# Altium PCB _Power_Rail_Probe.PcbDoc (continued)
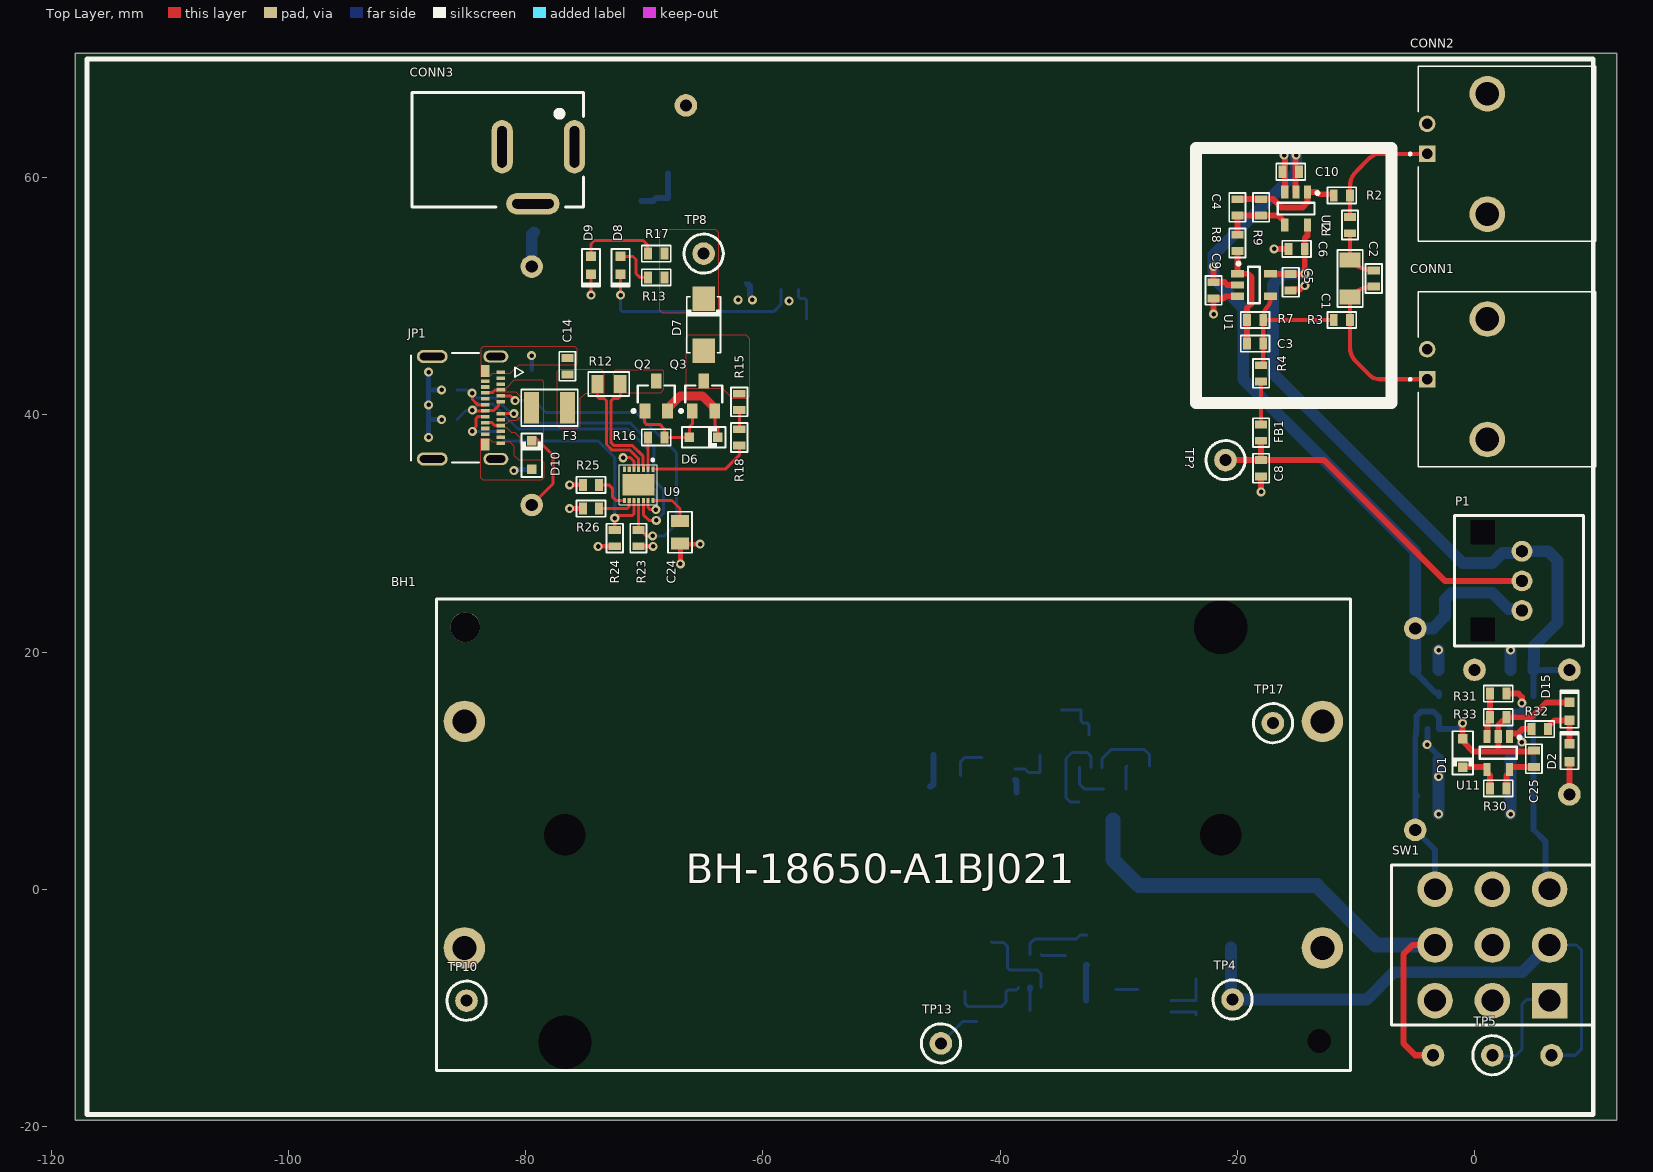
[diagram p0: Top Layer view]
## Footprints (in the part's own frame and the unit in brackets; to place one, negate y for a bottom-side part, rotate by r counter-clockwise, add the part's x,y. Pads: shape width x height; smd on the part's side, far side on the other; paste and mask are expansions set on the pad)
1003P1T2B1M2QEH [mm] "Interruptor Palanca 3PDT"
  rect 3x3 hole 1.85: 1(4.83,-4.7)
  round 3 hole 1.85: 2(4.83,0) 3(4.83,4.7) 4(0,-4.7) 5(0,0) 6(0,4.7) 7(-4.83,-4.7) 8(-4.83,0) 9(-4.83,4.7)
  silkscreen extent -8.5,-6.75 8.5,6.75, body extent -8.25,-6.35 8.25,6.35, height 31.34
1054500101 [mm] "USB C 3.2"
  rect 0.298x0.7 smd mask+0.064: A1(-3,2.885) A2(-2.5,2.885) A3(-2,2.885) A4(-1.5,2.885) A5(-1,2.885) A6(-0.5,2.885) A7(0.5,2.885) A8(1,2.885) A9(1.5,2.885) A10(2,2.885) A11(2.5,2.885) A12(3,2.885) B2(2.25,1.585) B3(1.75,1.585) B4(1.25,1.585) B5(0.75,1.585) B6(0.25,1.585) B7(-0.25,1.585) B8(-0.75,1.585) B9(-1.25,1.585) B10(-1.75,1.585) B11(-2.25,1.585)
  rect 0.998x0.7 smd mask+0.064: B1(3.1,1.585) B12(-3.1,1.585)
  oval 1.036x2.1 hole 0.6 slot 1.6 at 90 deg mask+0.064: SH(-4.32,2.475) SH(4.32,2.475)
  oval 1.1x2.6 hole 0.6 slot 2.1 at 90 deg mask+0.064: SH(-4.32,-2.885) SH(4.32,-2.885)
  silkscreen extent -4.62,-4.68 4.62,4.79, body extent -4.47,-4.83 4.47,3.07, height 3.2
ADC-002A [mm] "Power Barrel Connector Jack Through Hole, Right Angle"
  oval 4.5x1.8 hole 0.8 slot 3.5 at 0 deg: 1(0,0) 2(0,6.1)
  oval 1.8x4.5 hole 0.8 slot 3.5 at 90 deg: 3(-4.8,3.5)
  silkscreen extent -5.08,-0.76 4.57,13.72, body extent -4.97,-0.65 4.5,13.65, height 11.05
BH-18650-A1BJ021 [mm] "2 Cell 18650 PCB Battery Holder"
  round 3.5 hole 2: N1(36.175,9.55) N2(-36.175,-9.55) P1(-36.175,9.55) P2(36.175,-9.55)
  oval 0x3.31 hole 2 unplated: ""(-35.9,17.4)
  round 3.68 hole 4.5 unplated: ""(-27.6,-17.5) ""(27.7,17.5)
  round 3.31 hole 3.5 unplated: ""(-27.6,0) ""(27.7,0)
  round 2.51 hole 2.51 unplated: ""(36.11,-17.5)
  silkscreen extent -38.53,-19.89 38.53,19.89, body extent -38.53,-19.89 38.53,19.89, height 14.91
CAP_SMD_0603 [mil]
  rect 26x40 smd paste-50: 1(-27,0) 2(27,0)
  silkscreen extent -48,-27 48,27, body extent -31,-16 31,16, height 32
CAP_SMD_0805 [mil]
  rect 40x60 smd paste-50: 1(-38,0) 2(38,0)
  silkscreen extent -68,-40 68,40, body extent -39,-25 39,25, height 24
CAP_SMD_1206 [mil]
  rect 50x70 smd paste-50: 1(-61,0) 2(61,0)
  silkscreen extent -95,-42 95,42, body extent -63,-31 63,31, height 31
CONBNC002 [mm] "BNC CONNECTOR RIGHT ANGLE JACK"
  rect 1.398x1.398 / inner round 1.398 / far side rect 1.398x1.398 hole 0.89: 1(0,0)
  round 1.398 hole 0.89: 2(2.54,0)
  round 3 hole 2: S1(-5.08,-5.08) S2(5.08,-5.08)
  silkscreen extent -7.37,-14.2 7.37,1.52, body extent -7.95,-34.46 7.95,0.74, height 14.89
DFN_10 [mm] "DFN-10"
  rect 0.65x0.3 smd: 1(-1.55,1) 2(-1.55,0.5) 3(-1.55,0) 4(-1.55,-0.5) 5(-1.55,-1) 6(1.55,1) 7(1.55,0.5) 8(1.55,0) 9(1.55,-0.5) 10(1.55,-1)
  silkscreen extent -2.3,-1.6 1.45,1.6, body extent -1.58,-1.53 1.47,1.52, height 0.9
DFN_14 [mm]
  rect 0.45x0.27 smd: 1(-1.325,1.215) 2(-1.325,0.815) 3(-1.325,0.415) 4(-1.325,0.015) 5(-1.325,-0.385) 6(-1.325,-0.785) 7(-1.325,-1.185) 8(1.325,-1.185) 9(1.325,-0.785) 10(1.325,-0.385) 11(1.325,0.015) 12(1.325,0.415) 13(1.325,0.815) 14(1.325,1.215)
  rect 1.8x2.7 smd: PAD(0,0)
  silkscreen extent -2.2,-1.6 1.7,1.6, body extent -1.53,-1.53 1.52,1.52, height 0.8
DO_214_AC [mil]
  rect 82x75 smd paste-3937.01: A(-86,0) K(86,0)
  silkscreen extent -93,-56 93,56, body extent -102,-51 102,51, height 95
FERRITE_SMD_0603 [mil]
  rect 26x40 smd paste-50: 1(-27,0) 2(27,0)
  silkscreen extent -48,-27 48,27, body extent -32,-16 32,17, height 31
LED_0603_1608 [mm]
  rect 0.8x0.85 smd paste-5.08: A(-0.762,0) K(0.762,0)
  silkscreen extent -1.39,-0.76 1.78,0.76, body extent -0.8,-0.4 0.8,0.4, height 0.4
POTENCIOMETRO_09VR1S25F1N103B1 [mm] "10k Ohm 1 Gang Linear Through Hole Potentiometer 1.0 Turns Carbon 0.05W, 1/20W PC Pins"
  round 1.75 hole 1: 1(0,2.5) 2(0,0) 3(0,-2.5)
  rect 1x1 hole 2 square: CASE(-3.3,-4.1) CASE(-3.3,4.1)
  silkscreen extent -5.7,-5.5 5.2,5.5
RES_SMD_0603 [mil]
  rect 26x40 smd paste-50: 1(-27,0) 2(27,0)
  silkscreen extent -48,-27 48,27, body extent -32,-16 32,17, height 18
RES_SMD_0805 [mil]
  rect 40x60 smd paste-50: 1(-38,0) 2(38,0)
  silkscreen extent -68,-40 68,40, body extent -45,-27 45,27, height 30
RES_SMD_1210 [mil]
  rect 50x105 smd paste-50: 1(-60,0) 2(60,0)
  silkscreen extent -94,-61 94,61, body extent -63,-49 63,49, height 22
SOD_323 [mm]
  rect 0.8x0.8 smd paste-5.08: A(-1.2,0) K(1.2,0)
  silkscreen extent -1.83,-0.89 1.83,0.89, body extent -1.3,-0.67 1.3,0.67, height 1.12
SOT_23-3 [mil]
  rect 50x35 smd paste-50: 1(-50,37.4) 2(-50,-37.4) 3(50,0)
  silkscreen extent -55,-61 34,80, body extent -55,-57 55,57, height 61
SOT_23-5#1 [mm]
  rect 1.1x0.6 smd paste+0: 1(0,0) 2(0,-0.95) 3(0,-1.9) 4(2.794,-1.9) 5(2.794,0)
  silkscreen extent -0.03,-2.5 1.9,0.97, body extent -0.1,-2.48 2.9,0.58, height 1.45
SOT_23-5#2 [mm]
  rect 1.1x0.6 smd paste+0: 1(-1.397,0.95) 2(-1.397,0) 3(-1.397,-0.95) 4(1.397,-0.95) 5(1.397,0.95)
  silkscreen extent -1.42,-1.55 0.5,1.93, body extent -1.5,-1.53 1.5,1.53, height 1.45
SOT_23-6 [mm]
  rect 1.1x0.6 smd paste+0: 1(-1.397,0.95) 2(-1.397,0) 3(-1.397,-0.95) 4(1.397,-0.95) 5(1.397,0) 6(1.397,0.95)
  silkscreen extent -1.42,-1.55 0.5,1.93, body extent -1.5,-1.5 1.5,1.5, height 1.46
Test_Point_THT [mil] "Diametro 1mm"
  round 75 hole 40: 1(0,0)
  silkscreen extent -65,-65 65,65

## Part data
BH1: "2 Cell 18650 Battery Holder", 05_Digikey Part Number="Not Available", 06_Manufacturer=MYOUNG, 01_Componente=IC, 02_Montaje=THM, 03_Encapsulado=NA, 04_Manufacturer Part Number=BH-18650-A1BJ021, 07_Funcion="Battery Holder", ComponentLink1Description=01_Datasheet, ComponentLink1URL=https://www.lcsc.com/datasheet/C20606804.pdf?spm=wm.sxq.inf.ggs&lcsc_vid=QgdWXldRRVMIVlxRFlhXBFZfRldXX1JXQVQPBlEDEwUxVlNRQ1BfVVJRQ1VZVDsOAxUeFF5JWBYZEEoBGA4JCwFIFA4DSA%3D%3D, ComponentLink2Description=02_Digikey, ComponentLink2URL="Not Available", ComponentLink3Description=03_LCSC, ComponentLink3URL=https://www.lcsc.com/product-detail/C20606804.html
C1: library part "Capacitor NP", "0.1 µF ±2% 50V Ceramic Capacitor C0G, NP0 1206 (3216 Metric)", 04_Manufacturer Part Number=GRM3195C1H104GA05D, 05_Digikey Part Number=490-GRM3195C1H104GA05DCT-ND, 06_Manufacturer=YAGEO, 08_Tolerancia=2%, 10_Dielectrico=C0G, 01_Componente="Capacitor cerámico", 02_Montaje=SMD, 03_Encapsulado=1206, 07_Valor=100nF, 09_Tensión de trabajo=100V, ComponentLink1Description=A_Datasheet, ComponentLink1URL=https://search.murata.co.jp/Ceramy/image/img/A01X/G101/ENG/GRM3195C1H104GA05-01A.pdf, ComponentLink2Description=B_Digikey, ComponentLink2URL=https://www.digikey.com/en/products/detail/murata-electronics/GRM3195C1H104GA05D/13531987
C2 C3 C4 C5 C6 C8 C9 C10 C11 C12 C13 C14 C19 C23 C25: library part "Capacitor NP", "0.1 µF ±10% 25V Ceramic Capacitor X7R 0603 (1608 Metric)", 04_Manufacturer Part Number=CC0603KRX7R8BB104, 05_Digikey Part Number=311-1341-1-ND, 06_Manufacturer=YAGEO, 08_Tolerancia=10%, 10_Dielectrico=X7R, 01_Componente="Capacitor cerámico", 02_Montaje=SMD, 03_Encapsulado=0603, 07_Valor=100nF, 09_Tensión de trabajo=25V, ComponentLink1Description=A_Datasheet, ComponentLink2Description=B_Digikey
  C4: ComponentLink1URL=https://yageogroup.com/content/datasheet/asset/file/UPY-GPHC_X7R_6_3V-TO-250V, ComponentLink2URL=https://www.digikey.com/en/products/detail/yageo/CC0603KRX7R8BB104/2103079?s=N4IgTCBcDaIMJwAwDZEGYDSAlAGgdiwA4AhYgRkQBYQBdAXyA
  C5: ComponentLink1URL=https://yageogroup.com/content/datasheet/asset/file/UPY-GPHC_X7R_6_3V-TO-250V, ComponentLink2URL=https://www.digikey.com/en/products/detail/yageo/CC0603KRX7R8BB104/2103079
C15 C16 C17 C18 C20 C21 C22 C24: library part "Capacitor NP", "2.2 µF ±10% 25V Ceramic Capacitor X7R 0805 (2012 Metric)", 04_Manufacturer Part Number=GRM21BR71E225KE11K, 05_Digikey Part Number=490-GRM21BR71E225KE11KCT-ND, 06_Manufacturer="Murata Electronics", 08_Tolerancia=10%, 10_Dielectrico=X7R, 01_Componente="Capacitor cerámico", 02_Montaje=SMD, 03_Encapsulado=0805, 07_Valor=2u2, 09_Tensión de trabajo=25V, ComponentLink1Description=A_Datasheet, ComponentLink2Description=B_Digikey
  C18 C24: ComponentLink1URL=https://search.murata.co.jp/Ceramy/image/img/A01X/G101/ENG/GRM21BR71E225KE11-01A.pdf, ComponentLink2URL=https://www.digikey.com/en/products/detail/murata-electronics/GRM21BR71E225KE11K/10694460
CONN1 CONN2: library part "Conector BNC", "BNC Connector Jack, Female Socket 50 Ohms Panel Mount, Through Hole, Right Angle Solder", 04_Manufacturer Part Number=CONBNC002, 05_Digikey Part Number=343-CONBNC002-ND, 06_Manufacturer="TE Connectivity Linx", 01_Componente="Conector BNC", 02_Montaje=SMD, 03_Encapsulado=BNC, 07_Contactos=2, 08_Impedancia="50 Ohm", ComponentLink1Description=A_Datasheet, ComponentLink2Description=B_Digikey
  CONN1: ComponentLink1URL=https://www.te.com/commerce/DocumentDelivery/DDEController?Action=srchrtrv&DocNm=CONBNC002&DocType=Data+Sheet&DocLang=English&DocFormat=pdf&PartCntxt=CONBNC002, ComponentLink2URL=https://www.digikey.com/en/products/detail/te-connectivity-linx/CONBNC002/16013841
CONN3: library part "DC JACK", "DC JACK", 04_Manufacturer Part Number=ADC-002-1, 05_Digikey Part Number=2057-ADC-002-1-ND, 06_Manufacturer="Adam Tech", 01_Componente="DC JACK", 02_Montaje=THT, 03_Encapsulado=-, 07_Contactos=3, 08_Paso=-, ComponentLink1Description=A_Datasheet, ComponentLink1URL=https://app.adam-tech.com/products/download/data_sheet/203725/adc-002-x-data-sheet.pdf, ComponentLink2Description=B_Digikey, ComponentLink2URL=https://www.digikey.com/en/products/detail/adam-tech/ADC-002-1/21710741
D1 D5 D6: library part "Diodo Zener", "Diodo Zener", 04_Manufacturer Part Number=BZT52C5V6S-7-F, 05_Digikey Part Number=BZT52C5V6S-FDICT-ND, 06_Manufacturer="Diodes Incorporated", 01_Componente="Diodo Zener", 02_Montaje=SMD, 03_Encapsulado=SOD-323, 07_Tensión de trabajo=5V6, ComponentLink1Description=A_Datasheet, ComponentLink2Description=B_Digikey
  D1 D5: ComponentLink1URL=https://mm.digikey.com/Volume0/opasdata/d220001/medias/docus/804/BZT52C2V0S-BZT52C39S.pdf, ComponentLink2URL=https://www.digikey.com/en/products/detail/diodes-incorporated/BZT52C5V6S-7-F/804868
D2 D8 D9 D15: library part "Diodo LED", "Diodo LEd", 04_Manufacturer Part Number=SML-D12U1WT86, 05_Digikey Part Number=SML-D12U1WT86CT-ND, 06_Manufacturer="Rohm Semiconductor", 01_Componente="Diodo Led", 02_Montaje=SMD, 03_Encapsulado=1608, ComponentLink1Description=A_Datasheet, ComponentLink1URL=https://www.rohm.com/datasheet?p=SML-D12U1W&dist=Digi-key&media=referral&source=digi-key.com&campaign=Digi-key, ComponentLink2Description=B_Digikey, ComponentLink2URL=https://www.digikey.com/en/products/detail/rohm-semiconductor/SML-D12U1WT86/5843853
D3 D7: library part "Diodo Schottky", "Diode 40 V 1A Surface Mount DO-214AC (SMA)", 04_Manufacturer Part Number=SS14-M3/5AT, 05_Digikey Part Number=SS14-M3/5ATGICT-ND, 06_Manufacturer="Vishay General Semiconductor - Diodes Division", 01_Componente="Diodo Schottky", 02_Montaje=SMD, 03_Encapsulado=DO-214AC, 07_Tensión=40V, 08_Corriente=1A, ComponentLink1Description=A_Datasheet, ComponentLink2Description=B_Digikey
  D3: ComponentLink1URL=https://mm.digikey.com/Volume0/opasdata/d220001/medias/docus/661/SS12-SS16.pdf, ComponentLink2URL=https://www.digikey.com/en/products/detail/vishay-general-semiconductor-diodes-division/SS14-M3-5AT/4872626?s=N4IgTCBcDaIMpwIwBYC0BZAzAegKwEEAVEAXQF8g
D4: library part "Diodo TVS Bidireccional", "Diodo TVS", 05_Digikey Part Number=4786-GSEC15B006CT-ND, 06_Manufacturer="Good-Ark Semiconductor", 01_Componente="Diodo TVS", 02_Montaje=SMD, 03_Encapsulado=SOD-323, 04_Manufacturer Part Number=GSEC15B006, 07_Tensión de trabajo=15V, ComponentLink1Description=A_Datasheet, ComponentLink1URL=https://goodarksemi.com/docs/datasheets/esd_tvs/GSECxB006.pdf, ComponentLink2Description=B_Digikey, ComponentLink2URL=https://www.digikey.com/en/products/detail/good-ark-semiconductor/GSEC15B006/18667511
D10 D11 D12 D13 D14: library part "Diodo TVS Unidireccional", "Diodo TVS", 05_Digikey Part Number=4786-GSEC15B006CT-ND, 06_Manufacturer="Good-Ark Semiconductor", 01_Componente="Diodo TVS", 02_Montaje=SMD, 03_Encapsulado=SOD-323, 04_Manufacturer Part Number=GSEC15B006, 07_Tensión de trabajo=15V, ComponentLink1Description=A_Datasheet, ComponentLink2Description=B_Digikey
  D14: ComponentLink1URL=https://goodarksemi.com/docs/datasheets/esd_tvs/GSECxB006.pdf, ComponentLink2URL=https://www.digikey.com/en/products/detail/good-ark-semiconductor/GSEC15B006/18667511
F1 F2 F3 F4: library part Polyswitch, "Polymeric PTC Resettable Fuse 15V 500 mA Ih Surface Mount 1206 (3216 Metric), Concave", 05_Digikey Part Number=13-SMD1206B050TF/15CT-ND, 06_Manufacturer=YAGEO, 01_Componente=Polyswitch, 02_Montaje="Through Hole", 03_Encapsulado=1206, 04_Manufacturer Part Number=SMD1206B050TF/15, 07_Valor=500mA, ComponentLink1Description=A_Datasheet, ComponentLink2Description=B_Digikey
  F1 F3 F4: ComponentLink1URL=https://www.yageogroup.com/content/datasheet/asset/file/SMD1210_1, ComponentLink2URL=https://www.digikey.com/en/products/detail/yageo/SMD1210B075TF-24/15212934
  F2: ComponentLink1URL=https://www.yageo.com/upload/media/product/productsearch/datasheet/cpc/pptc/SMD1206_1.pdf, ComponentLink2URL=https://www.digikey.com/en/products/detail/yageo/SMD1206B050TF-15/13689651
FB1: library part "Ferrite Bead", "1 kOhms @ 100 MHz 1 Power Line Ferrite Bead 0603 (1608 Metric) 800mA 300mOhm", 05_Digikey Part Number=445-MPZ1608S102ATA00CT-ND, 06_Manufacturer="TDK Corporation", 01_Componente="Ferrite bead", 02_Montaje=SMD, 03_Encapsulado=0603, 04_Manufacturer Part Number=MPZ1608S102ATA00, 07_Valor=1k, 08_Frecuencia="100 MHz", ComponentLink1Description=A_Datasheet, ComponentLink1URL=https://product.tdk.com/en/system/files?file=dam/doc/product/emc/emc/beads/catalog/beads_commercial_power_mpz1608_en.pdf, ComponentLink2Description=B_Digikey, ComponentLink2URL=https://www.digikey.com/en/products/detail/tdk/MPZ1608S102ATA00/3078621
JP1: library part "USB C 3.0", "USB-C (USB TYPE-C) USB 3.2 Gen 2 (USB 3.1 Gen 2, Superspeed + (USB 3.1)) Receptacle Connector 24 (6+18 Dummy) Position Surface Mount, Right Angle", 04_Manufacturer Part Number=1054500101, 05_Digikey Part Number=WM12856CT-ND, 06_Manufacturer=Molex, 01_Componente="Conector USB C", 02_Montaje=SMD, 03_Encapsulado="USB C", 07_Contactos=24, 08_Paso=0.50mm, ComponentLink1Description=A_Datasheet, ComponentLink1URL=https://files.edac.net/edac/content/698A/698A106-162-211%20-%20EDAC%20USB%20Connector.pdf, ComponentLink2Description=B_Digikey, ComponentLink2URL=https://www.digikey.com/en/products/detail/edac-inc/698A106-162-211/17186068
P1: library part POTENCIÓMETRO, "10k Ohm 1 Gang Linear Through Hole Potentiometer 1.0 Turns Carbon 0.05W, 1/20W PC Pins", 04_Manufacturer Part Number=09VR1S25F1N103B1, 05_Digikey Part Number=CT3183-ND, 06_Manufacturer="CTS Electrocomponents", 08_Tolerancia=-, 01_Componente=Potenciometer, 02_Montaje=THT, 03_Encapsulado=-, 07_Valor=10K, ComponentLink1Description=A_Datasheet, ComponentLink1URL=https://www.ctscorp.com/files/datasheets/potentiometers/potentiometer-09vr-datasheet.pdf, ComponentLink2Description=B_Digikey, ComponentLink2URL=https://www.digikey.com/en/products/detail/cts-electrocomponents/09VR1S25F1N103B1/10270974?s=N4IgTCBcDaIMIBUDMBGAHEgtAOQCIgF0BfIA
Q1 Q2 Q3 Q4 Q5 Q6 Q7 Q8 Q9: library part NMOS, "N-Channel MOSFET SOT-23", 04_Manufacturer Part Number=AO3414A, 05_Digikey Part Number=4518-AO3414ACT-ND, 06_Manufacturer=UMW, 01_Componente=NMOS, 02_Montaje=SMD, 03_Encapsulado=SOT-23, 07_Tensión máxima=20V, 08_Corriente máxima=4.5A, 09_Potencia máxima=1.3W, ComponentLink1Description=A_Datasheet, ComponentLink2Description=B_Digikey
  Q1: ComponentLink1URL=https://mm.digikey.com/Volume0/opasdata/d220001/medias/docus/5022/AO3414A.pdf, ComponentLink2URL=https://www.digikey.com/en/products/detail/umw/AO3414A/17635259
  Q6: ComponentLink1URL=https://goodarksemi.com/docs/datasheets/mosfets/SSF2300.pdf, ComponentLink2URL=https://www.digikey.com/en/products/detail/good-ark-semiconductor/SSF2300/18648256
R1: library part Resistor, "4.99 Ohms ±0.1% 0.1W, 1/10W Chip Resistor 0603 (1608 Metric) Thin Film", 04_Manufacturer Part Number=RT0603BRD074R99L, 05_Digikey Part Number=13-RT0603BRD074R99LCT-ND, 06_Manufacturer=YAGEO, 08_Tolerancia=0.1%, 01_Componente=Resistor, 02_Montaje=SMD, 03_Encapsulado=0603, 07_Valor=4R99, ComponentLink1Description=A_Datasheet, ComponentLink1URL=https://www.digikey.com/en/products/detail/yageo/RT0603BRD074R99L/7708336, ComponentLink2Description=B_Digikey, ComponentLink2URL=https://www.digikey.com/en/products/detail/yageo/RT0603BRD074R99L/7708336
R2: library part Resistor, "499 Ohms ±0.1% 0.167W, 1/6W Chip Resistor 0603 (1608 Metric) Automotive AEC-Q200 Thin Film", 04_Manufacturer Part Number=RNCF0603BTE499R, 05_Digikey Part Number=738-RNCF0603BTE499RCT-ND, 06_Manufacturer="Stackpole Electronics Inc", 08_Tolerancia=0.1%, 01_Componente=Resistor, 02_Montaje=SMD, 03_Encapsulado=0603, 07_Valor=499R, ComponentLink1Description=A_Datasheet, ComponentLink1URL=https://www.seielect.com/catalog/SEI-RNCF.pdf, ComponentLink2Description=B_Digikey, ComponentLink2URL=https://www.digikey.com/en/products/detail/stackpole-electronics-inc/RNCF0603BTE499R/1710134
R3 R7: library part Resistor, "49.9 kOhms ±0.1% 0.167W, 1/6W Chip Resistor 0603 (1608 Metric) Automotive AEC-Q200 Thin Film", 04_Manufacturer Part Number=RNCF0603BTE49K9, 05_Digikey Part Number=738-RNCF0603BTE49K9CT-ND, 06_Manufacturer="Stackpole Electronics Inc", 08_Tolerancia=0.1%, 01_Componente=Resistor, 02_Montaje=SMD, 03_Encapsulado=0603, 07_Valor=49K9, ComponentLink1Description=A_Datasheet, ComponentLink2Description=B_Digikey
  R3: ComponentLink1URL=https://www.seielect.com/catalog/SEI-RNCF.pdf, ComponentLink2URL=https://www.digikey.com/en/products/detail/stackpole-electronics-inc/RNCF0603BTE49K9/1710260
R4 R30: library part Resistor, "2.49 kOhms ±0.1% 0.167W, 1/6W Chip Resistor 0603 (1608 Metric) Automotive AEC-Q200 Thin Film", 04_Manufacturer Part Number=RNCF0603BKE2K49, 05_Digikey Part Number=738-RNCF0603BKE2K49CT-ND, 06_Manufacturer="Stackpole Electronics Inc", 08_Tolerancia=0.1%, 01_Componente=Resistor, 02_Montaje=SMD, 03_Encapsulado=0603, 07_Valor=2K49, ComponentLink1Description=A_Datasheet, ComponentLink1URL=https://www.seielect.com/catalog/SEI-RNCF.pdf, ComponentLink2Description=B_Digikey, ComponentLink2URL=https://www.digikey.com/en/products/detail/stackpole-electronics-inc/RNCF0603BKE2K49/1710046
R8 R9 R13 R14 R17 R21 R22 R32: library part Resistor, "1 kOhms ±0.1% 0.167W, 1/6W Chip Resistor 0603 (1608 Metric) Automotive AEC-Q200 Thin Film", 04_Manufacturer Part Number=RNCF0603BTE1K00, 05_Digikey Part Number=738-RNCF0603BTE1K00CT-ND, 06_Manufacturer="Stackpole Electronics Inc", 08_Tolerancia=0.1%, 01_Componente=Resistor, 02_Montaje=SMD, 03_Encapsulado=0603, 07_Valor=1k, ComponentLink1Description=A_Datasheet, ComponentLink2Description=B_Digikey
  R8 R13 R14 R17 R21 R22 R32: ComponentLink1URL=https://www.seielect.com/catalog/SEI-RNCF.pdf, ComponentLink2URL=https://www.digikey.com/en/products/detail/stackpole-electronics-inc/RNCF0603BTE1K00/1710217
R10 R11 R15 R18 R19 R20 R28 R29: library part Resistor, 04_Manufacturer Part Number=RMCF0603FT100R, 05_Digikey Part Number=RMCF0603FT100RCT-ND, 06_Manufacturer="Stackpole Electronics Inc", 08_Tolerancia=1%, 01_Componente=Resistor, 02_Montaje=SMD, 03_Encapsulado=0603, 07_Valor=100R, ComponentLink1Description=A_Datasheet, ComponentLink1URL=https://www.seielect.com/catalog/SEI-RMCF_RMCP.pdf, ComponentLink2Description=B_Digikey, ComponentLink2URL=https://www.digikey.com/en/products/detail/stackpole-electronics-inc/RMCF0603FT100R/1761113
R12: library part Resistor, "5 mOhms ±1% 0.125W, 1/8W Chip Resistor 0805 (2012 Metric) Current Sense Metal Foil", 04_Manufacturer Part Number=PE0805FRM070R005Z, 05_Digikey Part Number=13-PE0805FRM070R005ZCT-ND, 06_Manufacturer=YAGEO, 08_Tolerancia=1%, 01_Componente=Resistor, 02_Montaje=SMD, 03_Encapsulado=0805, 07_Valor=5mR, ComponentLink1Description=A_Datasheet, ComponentLink1URL=https://mm.digikey.com/Volume0/opasdata/d220001/medias/docus/5343/PE_Series_DS.pdf, ComponentLink2Description=B_Digikey, ComponentLink2URL=https://www.digikey.com/en/products/detail/yageo/PE0805FRM070R005Z/16992204
R16 R27: library part Resistor, "10 kOhms ±1% 0.1W, 1/10W Chip Resistor 0603 (1608 Metric) Automotive AEC-Q200 Thick Film", 04_Manufacturer Part Number=RMCF0603FT10K0, 05_Digikey Part Number=RMCF0603FT10K0CT-ND, 06_Manufacturer="Stackpole Electronics Inc", 08_Tolerancia=1%, 01_Componente=Resistor, 02_Montaje=SMD, 03_Encapsulado=0603, 07_Valor=10k, ComponentLink1Description=A_Datasheet, ComponentLink2Description=B_Digikey
  R27: ComponentLink1URL=https://www.seielect.com/catalog/SEI-RMCF_RMCP.pdf, ComponentLink2URL=https://www.digikey.com/en/products/detail/stackpole-electronics-inc/RMCF0603FT10K0/1761235
R23 R24 R33: library part Resistor, "5.1 kOhms ±1% 0.1W, 1/10W Chip Resistor 0603 (1608 Metric) Automotive AEC-Q200 Thick Film", 04_Manufacturer Part Number=RMCF0603FT5K10, 05_Digikey Part Number=RMCF0603FT5K10CT-ND, 06_Manufacturer="Stackpole Electronics Inc", 08_Tolerancia=1%, 01_Componente=Resistor, 02_Montaje=SMD, 03_Encapsulado=0603, 07_Valor=5k1, ComponentLink1Description=A_Datasheet, ComponentLink2Description=B_Digikey
  R23: ComponentLink1URL=https://www.seielect.com/catalog/SEI-RMCF_RMCP.pdf, ComponentLink2URL=https://www.digikey.com/en/products/detail/stackpole-electronics-inc/RMCF0603FT5K10/1760908
R25 R26 R31: library part Resistor, "82 kOhms ±1% 0.1W, 1/10W Chip Resistor 0603 (1608 Metric) Automotive AEC-Q200 Thick Film", 04_Manufacturer Part Number=RMCF0603FT82K0, 05_Digikey Part Number=RMCF0603FT82K0CT-ND, 06_Manufacturer="Stackpole Electronics Inc", 08_Tolerancia=1%, 01_Componente=Resistor, 02_Montaje=SMD, 03_Encapsulado=0603, 07_Valor=82k, ComponentLink1Description=A_Datasheet, ComponentLink2Description=B_Digikey
  R25 R31: ComponentLink1URL=https://www.seielect.com/catalog/SEI-RMCF_RMCP.pdf, ComponentLink2URL=https://www.digikey.com/en/products/detail/stackpole-electronics-inc/RMCF0603FT82K0/1760956
SW1: library part "Interruptor 3PDT", "Slide Switch 3PDT Through Hole", 04_Manufacturer Part Number=1003P1T1B1M2QEH, 05_Digikey Part Number=EG2425-ND, 06_Manufacturer="CW Industries", 01_Componente=Switch, 02_Montaje=THT, 03_Encapsulado=NA, ComponentLink1Description=01_Digikey, ComponentLink1URL=https://www.digikey.com/en/products/detail/e-switch/1003P1T1B1M2QEH/378894, ComponentLink2Description=02_Datasheet, ComponentLink2URL=https://configured-product-images.s3.amazonaws.com/Datasheets/100.pdf
TP1 TP2 TP3 TP4 TP5 TP6 TP7 TP8 TP9 TP10 TP11 TP13 TP15 TP16 TP17 TP18 TP?: library part TestPoint_SMD, "Testpoint", 04_Manufacturer Part Number=NA, 01_Componente=Test_Point, 02_Montaje=THT, 03_Encapsulado=NA, 05_Digikey Part Number=NA, ComponentLink1Description=A_Datasheet, ComponentLink1URL=NA, ComponentLink2Description=B_Digikey, ComponentLink2URL=NA
U1 U2 U11: library part OPA354, "Voltage Feedback Amplifier 1 Circuit Rail-to-Rail SOT-23-5", 05_Digikey Part Number=296-26279-1-ND, 06_Manufacturer="Texas Instruments", 01_Componente=OPA354AIDBVR, 02_Montaje=SMD, 03_Encapsulado=SOIC_8, 04_Manufacturer Part Number=OPA354AIDBVR, ComponentLink1Description=A_Datasheet, ComponentLink1URL=https://www.ti.com/general/docs/suppproductinfo.tsp?distId=10&gotoUrl=https%3A%2F%2Fwww.ti.com%2Flit%2Fgpn%2Fopa354, ComponentLink2Description=B_Digikey, ComponentLink2URL=https://www.digikey.com/en/products/detail/texas-instruments/OPA354AIDBVR/1572536
U3 U6: "Battery Battery Protection IC Lithium Ion SOT-23-6", 04_Manufacturer Part Number=DW01, 05_Digikey Part Number=5399-DW01CT-ND, 06_Manufacturer="Shenzhen Slkormicro Semicon Co., Ltd.", 01_Componente=IC, 02_Montaje=SMD, 03_Encapsulado=SOT_23-6, 07_Funcion="Protector 1S", ComponentLink1Description=01_Datasheet, ComponentLink1URL=https://mm.digikey.com/Volume0/opasdata/d220001/medias/docus/6808/DW01%20SOT-23-6.PDF, ComponentLink2Description=02_Digikey, ComponentLink2URL=https://www.digikey.com/en/products/detail/shenzhen-slkormicro-semicon-co-ltd/DW01/26601036
U4: "LDO Fixed 2V5 250mA Ultra-Low Noise SOT-23-5", 05_Digikey Part Number=488-NCP163ASN250T1GCT-ND, 06_Manufacturer="Texas Instruments", 01_Componente=LDO, 02_Montaje=SMD, 03_Encapsulado=SOT_23-5, 04_Manufacturer Part Number=NCP163ASN250T1G, 07_Tensión nominal=3V3, 08_Corriente de salida="300 mA", 09_Potencia de salida=1W, ComponentLink1Description=A_Datasheet, ComponentLink1URL=https://www.onsemi.com/pdf/datasheet/ncp163-d.pdf, ComponentLink2Description=B_Digikey, ComponentLink2URL=https://www.digikey.com/es/products/detail/onsemi/NCP163ASN250T1G/9694659
U5 U8: "Balanceador de carga", 05_Digikey Part Number=NE, 06_Manufacturer="Hycon Technology", 01_Componente=IC, 02_Montaje=SMD, 03_Encapsulado=SOT_23-6, 04_Manufacturer Part Number=HY2213, 07_Funcion="Balanceador de carga", ComponentLink1Description=01_Datasheet, ComponentLink1URL=https://www.hycontek.com/hy_battery/DS-HY2213_EN.pdf, ComponentLink2Description=02_Digikey, ComponentLink2URL=NE
U7: "Battery Charger IC", 04_Manufacturer Part Number=MCP73213T-A6SI/MF, 05_Digikey Part Number=MCP73213T-A6SI/MFCT-ND, 06_Manufacturer="Microchip Technology", 01_Componente="Cargador de batería", 02_Montaje=SMD, 03_Encapsulado=DFN-10, ComponentLink1Description=Datasheet, ComponentLink1URL=https://ww1.microchip.com/downloads/en/devicedoc/20002190c.pdf, ComponentLink2Description=Digikey, ComponentLink2URL=https://www.digikey.com/en/products/detail/microchip-technology/MCP73213T-A6SI-MF/2126117
U9: library part AP33771C, "USB, Type-C Controller PMIC W-DFN3030-14 (Type A1)", 05_Digikey Part Number=31-AP33771CFBZ-13-FA01CT-ND, 06_Manufacturer="Microchip Technology", 01_Componente="Controlador USB-C", 02_Montaje=SMD, 03_Encapsulado=W-DFN3030-14, 04_Manufacturer Part Number=AP33771CFBZ-13-FA01, ComponentLink1Description=Datasheet, ComponentLink1URL=https://www.diodes.com/datasheet/download/AP33771C.pdf, ComponentLink2Description=Digikey, ComponentLink2URL=https://www.digikey.com/en/products/detail/diodes-incorporated/AP33771CFBZ-13-FA01/24384228?s=N4IgjCBcpgnAHLKoDGUBmBDANgZwKYA0IA9lANogAMIAugL7EC0ArMiGpFnkaRSACY69RoP4BBAAoBmaQHY5EWsQBs7AJYATKCCZgqEYgAcALjpDETATyP4dmXGhFA
U10: "LDO Fixed -2V5 250mA Ultra-Low Noise SOT-23-5", 05_Digikey Part Number=505-ADP7183ACPZN-R7CT-ND, 06_Manufacturer="Texas Instruments", 01_Componente=LDO, 02_Montaje=SMD, 03_Encapsulado=SOT_23-5, 04_Manufacturer Part Number=ADP7183ACPZN-R7, 07_Tensión nominal=3V3, 08_Corriente de salida="300 mA", 09_Potencia de salida=1W, ComponentLink1Description=A_Datasheet, ComponentLink1URL=https://www.onsemi.com/pdf/datasheet/ncp163-d.pdf, ComponentLink2Description=B_Digikey, ComponentLink2URL=https://www.analog.com/media/en/technical-documentation/data-sheets/ADP7183.pdf

## Via types
v1: diameter 0.762, hole 0.381, Top Layer to Bottom Layer, 45 vias

## Nets (pads, with @x,y where several pads share a name; then routed paths per layer and width w, separated by ;. In a path a pad name is that pad's centre, name@x,y a point inside that pad or via, vN(x,y) a via of type N, cw(c..) or ccw(c..) an arc to the next point about the centre after c; other vN are vias at no path point)
2V5: C5.1 C6.1 C15.2 P1.1 TP7.1 U1.5 U2.5 U4.5 | length 64.4
  Top Layer w0.5: U1.5 -17.178,51.872 C5.1 -14.328,51.872 v1(-14.3,51.9) -14.314,51.914 C6.1 -14.314,54.886 -14.1,55.1 U2.5
  Bottom Layer w0.5: U4.5 4.965,16.309 C15.2 TP7.1
  Bottom Layer w1: v1(-14.3,51.9) -16.1,51.9 -17,51 -17,43.5 -1,27.5 1.5,27.5 2.356,28.356 3.856,28.356 P1.1 6.2,28.5 7,27.7 7,22.5 5,20.5 5,19.098 4.973,19.071 4.973,18.508 C15.2
-2V5: C9.1 C10.1 C22.1 P1.3 TP16.1 U1.2 U2.2 U10.5 | length 74.8
  Top Layer w0.5: v1(-22,52.5) C9.1 -21.086,51.186 -20.85,50.95 U1.2 ; U2.2 -15.1,58.844 -15.1,61.85 v1(-15.05,61.9)
  Bottom Layer w0.5: C22.1@-5,18.9 C22.1@-4.965,18.865 ; C22.1 -4.965,18.246 -3.313,16.594 -3.05,16.594 -3,16.544 U10.5
  Bottom Layer w1: v1(-15.05,61.9) -15.05,60.45 -18.5,57 -22,53.5 v1(-22,52.5) -22,51.5 -19.5,49 -19.5,43 -5,28.5 TP16.1 ; C22.1@-5,18.9 TP16.1 ; C22.1 C22.1@-4.965,18.865 ; P1.3 3.856,23.644 2.857,23.644 1.5,25 -1.914,25 -2.5,24.414 -2.5,23 -3.5,22 TP16.1
AUX: C11.2 D3.A D4.K F1.1 R27.2 TP1.1
BAT1_NEG: BH1.N1 C12.1 Q6.3 TP10.1 U3.6 | length 2.1
  Bottom Layer w0.254: U3.6 -36.467,-5.586 C12.1
BAT1_POS: F2.2 R10.2 R11.2 R28.2 SW1.2 TP3.1 TP4.1 | length 47
  Bottom Layer w0.254: SW1.2 8.6,-4.7 9,-5.1 9,-13.5 8.5,-14 TP3.1
  Bottom Layer w1: F2.2 -20.524,-9.004 -20.4,-9.128 TP4.1 -9.1,-9.3 -6.8,-7 4.03,-7 SW1.2
BAT2_NEG: BH1.N2 C19.1 Q9.3 TP17.1 U6.6
BAT2_POS: C13.1 F4.2 Q4.2 Q5.3 R14.1 R19.2 R20.2 R29.2 SW1.5 TP13.1 U5.3 | length 6.3
  Bottom Layer w0.254: TP13.1@-45.157,-13.157 -43.17,-11.17 Q5.3 ; U5.3 -23.5,-10.35 C13.1
BAT-: C23.1 Q7.2 Q8.3 R22.1 SW1.8 TP18.1 U8.3 | length 46.5
  Top Layer w0.525: TP18.1 -5,-14 -6,-13 -6,-5.5 -5.2,-4.7 SW1.8
  Bottom Layer w0.5: U8.3 -38.685,9.2 -38.635,9.15 -38.635,8.15
  Bottom Layer w1.27: Q8.3 -30.5,2.5 -28.3,0.3 -13.3,0.3 -8.3,-4.7 -4.83,-4.7
GND_USB: C14.1 C18.1 C24.1 D5.A D9.K D10.A D11.A D12.A D13.A D14.A JP1.A1 JP1.A12 JP1.B1 JP1.B12 JP1.SH Q1.2 R21.1 R23.1 R24.1 R25.1 R26.1 SW1.7 U7.8 U7.9 U9.5 | length 23.9
  Top Layer w0.254: v1(-74.5,50.1) D9.K ; v1(-71.8,36.384) -71.784,36.4 -71.2,36.4 -70.885,36.085 U9.5
  Top Layer w0.4: v1(-76.3,32.1) R26.1 ; v1(-76.3,34.1) R25.1 ; v1(-73.9,28.9) -73.886,28.914 R24.1 ; R23.1 -69.274,28.914 v1(-69.272,28.911) ; C24.1 C24.1@-66.965,29.1 ; v1(-66.965,27.435) C24.1@-66.965,29.1 ; v1(-65.3,29.1) C24.1@-66.965,29.1
  Bottom Layer w0.254: C18.1 -61.435,51.135 C18.1@-61.3,51
  Bottom Layer w0.4: v1(-88.2,38.1) D11.A ; v1(-88.2,43.6) D12.A ; v1(-87.1,39.6) D11.A ; v1(-87.1,42.1) D12.A ; v1(-81,35.3) -80.902,35.3 -80.802,35.4 D14.A ; D13.A v1(-79.5,45) ; D11.A v1(-88.2,40.85) D12.A
  Bottom Layer w0.5: C18.1@-61.3,51 -61.233,51 -61.109,50.877 -61.109,50.08 -61.031,50.002 -61.031,49.902 -60.9,49.771 v1(-60.9,49.7)
  other v1: -57.8,49.6 -62.1,49.7
INPUT: C1.1 C2.2 CONN1.1 R3.2 | length 14.4
  Top Layer w0.349: C2.2 -8.584,50.814 ccw(c-8.584,48.274) -10.38,50.07 C1.1 R3.2 -10.5,45.707 ccw(c-8.793,45.707) -10,44.5 -8.854,43.354 ccw(c-8,44.207) -8,43 CONN1.1
NetBH1_P1: BH1.P1 F2.1
NetBH1_P2: BH1.P2 F4.1
NetC1_2: C1.2 C2.1 R1.1 | length 4.5
  Top Layer w0.349: R1.1 C1.2 -10.38,52.93 ccw(c-8.584,54.726) -8.584,52.186 C2.1
NetC3_1: C3.1 R7.2 R8.1 U1.1 | length 9
  Top Layer w0.5: R8.1 U1.1 -19.1,51.9 -18.8,51.6 -18.8,49.4 -19.186,49.014 R7.2 -19.2,47.986 -19.2,46 C3.1
NetC3_2: C3.2 R3.1 R4.2 R7.1 U1.4 | length 12.4
  Top Layer w0.349: R4.2@-18.037,44.386 -18.037,44.223 R4.2 -17.97,44.186 -17.814,44.341 C3.2 ; C3.2@-17.7,45.9 -17.8,46 C3.2 ; U1.4 -17.206,49.668 cw(c-17.868,49.668) -17.4,49.2 ccw(c-16.4,48.2) -17.814,48.2 R7.1 ; R3.1 R7.1 ; C3.2 R7.1
NetC4_1: C4.1 R2.1 R9.2 U2.1 | length 9.6
  Top Layer w0.5: C4.1 R9.2 -16.986,58.186 -16.3,57.5 -14.5,57.5 -14.1,57.9 U2.1 -13.294,58.794 -13.1,58.6 -11.952,58.6 -11.872,58.52 R2.1
NetC4_2: C4.2 R8.2 R9.1 U2.4 | length 6.1
  Top Layer w0.5: R8.2 C4.2 -16.564,56.814 -16.05,56.3 -16.05,56.05 U2.4
NetC12_2: C12.2 R28.1 U3.5 | length 6
  Bottom Layer w0.254: U3.5 -37.5,-4.6 -37.114,-4.214 -33.597,-4.214 -33.248,-3.866 -32.72,-3.866 R28.1
NetC13_2: C13.2 R11.1 U5.2 | length 3.9
  Bottom Layer w0.254: U5.2 -23.5,-9.4 C13.2 R11.1
NetC14_2: C14.2 F3.1 R12.2 U9.4 | length 9.8
  Top Layer w0.254: R12.2 -73.965,41.549 -73.816,41.4 -73.4,41.4 -73.2,41.2 -73.2,37.5 -72.719,37.019 -71.219,37.019 -70.5,36.3 -70.5,35.704 -70.496,35.7 -70.496,35.616 -70.493,35.613 -70.493,35.421 U9.4@-70.486,35.414 ; U9.4@-70.485,35.415 U9.4
NetC19_2: C19.2 R29.1 U6.5 | length 4.2
  Bottom Layer w0.254: R29.1 C19.2 -33.186,14.186 -33,14 -32.649,14 -32.5,13.851 U6.5
NetC23_2: C23.2 R20.1 U8.2 | length 3.7
  Bottom Layer w0.254: U8.2 -38.664,10.15 -38.644,10.129 -37.914,10.129 -37.621,9.836 C23.2 R20.1
NetC24_2: C24.2 U9.14 | length 3.6
  Top Layer w0.254: U9.14 -67.675,32.775 -67,32.1 C24.2
NetCONN3_1: CONN3.1 F1.2
NetD1_K: D1.K R30.1 U11.4 | length 3.9
  Top Layer w0.5: D1.K 1,10.3 1.05,10.25 U11.4 1.05,9.853 1.314,9.589 R30.1
NetD2_K: D2.K D15.A R32.1 | length 4.2
  Top Layer w0.5: R32.1 6.186,13.686 6.2,13.7 6.208,13.7 6.266,13.758 6.266,13.766 6.738,14.238 D15.A D2.K
NetD5_K: D5.K Q1.1 R27.1 | length 4.4
  Bottom Layer w0.254: R27.1@-68,60.35 R27.1
  Bottom Layer w0.5: Q1.1 -69.25,58.05 -69,58.3 D5.K R27.1@-68,60.35
NetD6_A: D6.A Q2.1 Q3.1 R16.2 | length 8.1
  Top Layer w0.254: Q2.1 -70,40.28 -70,39.349 -69.851,39.2 -68.7,39.2 -68.314,38.814 R16.2 D6.A -66.2,39 -65.95,39.25 Q3.1
NetD6_K: D6.K Q2.2 Q3.2 | length 7.6
  Top Layer w0.254: Q3.2 -64.05,39.15 -63.8,38.9 D6.K
  Top Layer w0.75: Q2.2 -67.981,40.4 -67.981,40.59 -66.977,41.594 -65.124,41.594 -64.12,40.59 -64.12,40.4 Q3.2
NetD7_A: D7.A Q3.3 R15.2
NetD8_A: D8.A R13.1 | length 3.7
  Top Layer w0.254: D8.A -70.962,53.362 -70.7,53.1 -70.7,51.9 -70.4,51.6 R13.1
NetD8_K: D8.K U7.7 | length 18.2
  Top Layer w0.254: v1(-72,50.1) D8.K D8.K@-72,52
  Bottom Layer w0.254: v1(-72,50.1) -72,48.849 -71.851,48.7 -59.1,48.7 -58.5,49.3 U7.7
NetD9_A: D9.A R17.1 | length 6.9
  Top Layer w0.254: D9.A -74.5,54.4 -74.2,54.7 -70.1,54.7 -69.75,54.35 -69.75,53.6 R17.1
NetFB1_2: FB1.2 R4.1 | length 3.8
  Top Layer w0.349: R4.1 FB1.2 -17.968,39.186 FB1.2@-17.897,39.256
NetQ2_3: Q2.3 R12.1 U9.3 | length 9.8
  Top Layer w0.254: R12.1 -72.035,41.549 -72.184,41.4 -72.6,41.4 -72.8,41.2 -72.8,37.639 -72.561,37.4 -71,37.4 -70.1,36.5 -70.1,35.7 -70.093,35.693 -70.093,35.433 U9.3
NetQ4_1: Q4.1 U5.6 | length 1.8
  Bottom Layer w0.254: Q4.1 U5.6
NetQ4_3: Q4.3 R10.1 | length 3.1
  Bottom Layer w0.5: Q4.3 -32.77,-6.4 R10.1@-32.686,-6.4
NetQ5_1: Q5.1 U3.3 | length 6.8
  Bottom Layer w0.254: Q5.1 -42.95,-9.65 -42.7,-9.9 -39.9,-9.9 -39.5,-9.5 -39.5,-8.649 -39.351,-8.5 -38.623,-8.5 -38.45,-8.327 U3.3
NetQ5_2: Q5.2 Q6.2
NetQ6_1: Q6.1 U3.1 | length 7.5
  Bottom Layer w0.254: Q6.1 -40.68,-4.5 -39.7,-4.5 -39.4,-4.8 -39.4,-6.6 -39.2,-6.8 -36.9,-6.8 -36.55,-7.15 U3.1
NetQ7_1: Q7.1 U8.6 | length 3.1
  Bottom Layer w0.254: Q7.1 -43.365,10.72 -42.985,11.1 U8.6
NetQ7_3: Q7.3 R19.1 | length 2.8
  Bottom Layer w0.5: Q7.3 -45.83,8.65 -45.635,8.845 R19.1
NetQ8_1: Q8.1 U6.3 | length 3.6
  Bottom Layer w0.254: U6.3@-33.306,10.268 -33.306,8.861 -32.88,8.435 Q8.1@-31.306,8.435
NetQ8_2: Q8.2 Q9.2 | length 2
  Bottom Layer w0.254: Q8.2@-29.406,8.435 -29.406,10.295 Q9.2@-29.306,10.395
NetQ9_1: Q9.1 U6.1 | length 6.2
  Bottom Layer w0.254: U6.1@-31.396,10.253 -31.406,10.263 -31.406,10.268 -31.406,11.005 -30.634,11.777 -27.84,11.777 -27.406,11.343 Q9.1@-27.406,10.395
NetR14_2: R14.2 U3.2 | length 1.9
  Bottom Layer w0.254: R14.2 U3.2@-37.5,-8.4
  Bottom Layer w0.5: U3.2@-37.5,-8.4 U3.2
NetR15_1: R15.1 R18.2 | length 1.6
  Top Layer w0.254: R18.2 R15.1
NetR16_1: R16.1 U9.2 | length 2.7
  Top Layer w0.254: U9.2 R16.1@-69.685,38.099
NetR18_1: R18.1 U9.1 | length 8.6
  Top Layer w0.254: U9.1 -63.175,35.425 -62,36.6 R18.1
NetR21_2: R21.2 U7.10 | length 3
  Bottom Layer w0.254: U7.10 -57,49.949 -56.851,49.8 -56.463,49.8 -56.314,49.651 R21.2
NetR22_2: R22.2 U6.2 | length 7.9
  Bottom Layer w0.254: R22.2@-33.356,7.351 -34.081,7.351 -34.444,7.713 -34.444,11.015 -33.936,11.523 -32.666,11.523 -32.356,11.213 U6.2@-32.356,10.268
NetR25_2: R25.2 U9.8 | length 3.1
  Top Layer w0.254: R25.2 -73,34.1 -72.7,33.8 -72.7,33.1 -72.375,32.775 U9.8
NetR26_2: R26.2 U9.9 | length 3.1
  Top Layer w0.254: R26.2 -71.442,32.1 -71.293,32.249 -71.293,32.767 U9.9
NetR31_1: R31.1 R33.2 U11.3 | length 3.7
  Top Layer w0.5: U11.3 1.05,13.05 1.1,13.1 1.1,14.108 1.314,14.322 R33.2 R31.1
NetR32_2: R32.2 U11.1 | length 2.2
  Top Layer w0.5: U11.1 2.95,13.065 3,13.115 3.643,13.115 4.028,13.5 R32.2
NetSW1_1: SW1.1 TP5.1 U7.3 U7.4 | length 9.1
  Bottom Layer w0.254: TP5.1@1.565,-14.043 3.457,-14.043 4,-13.5 4,-9.7 4.4,-9.3 6.23,-9.3 SW1.1
  Bottom Layer w1: TP5.1 1.522,-14 TP5.1@1.565,-14.043
OFFSET: C8.2 FB1.1 P1.2 TP?.1 | length 31
  Top Layer w0.5: TP?.1@-21.686,36.197 TP?.1@-21.511,36.197 ; TP?.1 C8.2 ; FB1.1 C8.2 ; P1.2 -2.5,26 -12.686,36.186 C8.2
OUTPUT: CONN2.1 R1.2 R2.2 | length 10.5
  Top Layer w0.349: R1.2 -10.5,57 -10.5,59.293 cw(c-8.793,59.293) -10,60.5 -8.854,61.646 cw(c-8,60.793) -8,62 CONN2.1
PGND: C11.1 CONN3.2 D4.A Q1.3 TP2.1 | length 3
  Bottom Layer w1: TP2.1 -79.5,55.2 -79.3,55.4
SGND: C5.2 C6.2 C8.1 C9.2 C10.2 C15.1 C16.1 C17.1 C20.2 C21.2 C22.2 CONN1.2 CONN2.2 SW1.6 TP11.1 U1.3 U2.3 U4.2 U10.2 | length 28.9
  Top Layer w0.5: v1(-22,48.5) C9.2 -21.986,49.8 -21.2,49.8 -21,50 U1.3 ; v1(-18,33.5) C8.1 ; v1(-16.9,54) C6.2 ; v1(-16.058,61.9) -16.008,61.85 -16.008,61.665 -16,61.657 U2.3 ; C5.2 -15.42,50.58 -14.724,50.58 -14.543,50.761 -14.502,50.761 -14.371,50.892 v1(-14.3,50.892)
  Bottom Layer w0.5: U10.2 -3.977,13.473 -3.977,12.223 v1(-4,12.2) -3.981,12.2 -3.035,11.254 C20.2 ; C17.1@3.035,11.013 3.293,11.271 3.293,11.693 v1(4,12.4) U4.2
  Bottom Layer w1: v1(-3.035,6.335) C21.2 v1(-3.035,9.5) C20.2 ; C22.2 v1(-3.035,20.165) ; v1(3.035,6.335) C16.1 C17.1 C17.1@3.035,11.013 ; C15.1 v1(3.035,20.165)
USB_CC1: D13.K JP1.A5 R23.2 U9.11 | length 29.5
  Top Layer w0.254: JP1.A5 -81.302,41.6 -80.899,41.197 v1(-80.899,41.192) ; R23.2@-70.5,30.104 R23.2 ; U9.11 -70.496,32.764 -70.496,32.445 -70.5,32.441 R23.2 ; v1(-69.3,29.8) -69.303,29.803 -69.839,29.803 -70.322,30.286 R23.2
  Bottom Layer w0.254: v1@-80.888,41.192 -79.708,41.192 D13.K -78.3,40.2 -70.7,40.2 -67.3,36.8 -67.3,30.8 -68.303,29.797 -69.297,29.797 v1(-69.3,29.8)
USB_CC2: D14.K JP1.B5 R24.2 U9.10 | length 24
  Top Layer w0.254: v1(-84.5,38.6) -84.5,38.703 -84.2,39.003 -84.2,39.7 -84.05,39.85 JP1.B5 ; R24.2 v1(-72.5,31.3) -72.3,31.5 -71.045,31.5 -70.896,31.649 -70.896,32.584 -70.893,32.587 -70.893,32.767 U9.10
  Bottom Layer w0.254: v1(-84.5,38.6) -82.5,38.6 -81.7,37.8 D14.K -73.9,37.8 -72.5,36.4 v1(-72.5,31.3)
USB_D_N: D12.K JP1.A7 JP1.B7 U9.12 | length 30.7
  Top Layer w0.254: v1@-84.5,41.8 -84.492,41.792 -84.492,41.292 -84.05,40.85 JP1.B7 ; JP1.A7 -82,40.1 v1(-81,40.1) ; U9.12 -70.085,31.585 -69.6,31.1 v1(-69,31.1)
  Bottom Layer w0.254: D12.K -84.93,42.1 -84.657,41.827 v1(-84.527,41.827) -84.108,41.408 -82.548,41.408 -81.337,40.197 -81.097,40.197 v1(-81,40.1) -80.208,39.308 -71.19,39.308 -69.192,37.31 -69.192,35.7 -69.192,34.5 -68.4,33.708 -68.4,31.7 v1(-69,31.1)
USB_D_P: D11.K JP1.A6 JP1.B6 U9.13 | length 27.8
  Top Layer w0.254: v1(-84.5,40.4) -84.423,40.323 -83.821,40.323 -83.816,40.328 -83.437,40.328 JP1.B6 -82.723,40.35 -82.492,40.581 -82.485,40.581 -82.305,40.761 -82.305,41.078 -82.283,41.1 JP1.A6 ; U9.13 -69.685,32.185 -69.5,32 v1(-69.035,32)
  Bottom Layer w0.254: D11.K -85.035,40.365 -84.54,40.365 v1@-84.5,40.405 ; v1(-84.5,40.4) v1@-84.5,40.405 ; v1(-69.035,32) -69.035,33.625 -69.7,34.29 -69.7,34.5 -69.7,35.7 -69.7,37.1 -71.4,38.8 -80.658,38.8 -82.758,40.9 -84.005,40.9 v1@-84.5,40.405
Vcc: C16.2 C17.2 C18.2 C25.1 D2.A D3.K D7.K R13.2 R17.2 R30.2 R31.2 SW1.3 TP6.1 TP8.1 U4.1 U4.3 U7.1 U7.2 U11.5 | length 28.2
  Top Layer w0.5: R30.2 2.686,9.589 2.95,9.853 U11.5 2.95,10.264 3,10.314 C25.1 ; R31.2 3.7,16.5 4,16.2 v1(4,15.7) ; TP6.1 D2.A
  Bottom Layer w0.5: U4.3 3,13.55 3,14.5 3.5,15 4,15 ; v1(4,15.7) 4,15 ; C16.2@4.83,7.865 C16.2 ; SW1.3 6,0 6,4 4.965,5.035 C16.2 ; 4,15 4.5,15 4.95,14.55 U4.1 4.95,11.015 C17.2 C16.2
VCC_USB: D10.K F3.2 JP1.A4 JP1.A9 JP1.B4 JP1.B9 TP9.1 | length 10.1
  Top Layer w0.254: JP1.B4 -82.864,39.35 -82.614,39.1 JP1.A9 ; JP1.B9 -83.415,41.858 -83.429,41.871 -82.829,41.871 -82.6,42.1 JP1.A4 -81.765,42.1 ; TP9.1 -77.7,34.2 -77.7,36.6 -79.096,37.996
Vee: C20.1 C21.1 C25.2 D1.A D15.K R33.1 SW1.9 TP15.1 U10.1 U10.3 U11.2 | length 38.3
  Top Layer w0.5: v1(-1,14) D1.A -1,12.5 -0.1,11.6 2,11.6 ; C25.2 5.014,11.686 5.1,11.6 2,11.6 ; D15.K 6.062,15.762 4.8,14.5 R33.1 2.686,14.322 2.606,14.242 2.428,14.242 2,13.814 U11.2 2,11.6
  Bottom Layer w0.5: C21.1@-4.83,7.865 C21.1 ; SW1.9 -3.33,3.33 TP15.1 ccw(c-5.084,5.084) -4.965,5.084 C21.1 ; v1(-1,14) -1.5,13.5 U10.1 -3,14.5 -3.5,15 -4.5,15 -4.9,14.6 U10.3 -4.95,13.45 -4.95,12.957 -5,12.907 -5,8 C21.1
pads on no net: BH1. CONN1.S1 CONN1.S2 CONN2.S1 CONN2.S2 CONN3.3 JP1.A2 JP1.A3 JP1.A8 JP1.A10 JP1.A11 JP1.B2 JP1.B3 JP1.B8 JP1.B10 JP1.B11 P1.CASE SW1.4 U3.4 U4.4 U5.1 U5.4 U5.5 U6.4 U7.5 U7.6 U8.1 U8.4 U8.5 U9.6 U9.7 U9.PAD U10.4

## Polygon pours and split planes (outlines as drawn)
BAT1_POS on Bottom Layer "NONET_L-01_P-001" (solid, pour order 2): -19.889,-3.2 -31.644,-3.2 -31.644,-6.7 -19.889,-6.7
BAT- on Bottom Layer "NONET_L-01_P-001" (solid, pour order 29): -44,8.145 -39.3,8.145 -39.3,9.488 -39.288,9.5 -38.188,9.5 -38.188,8.9 -38.082,8.794 -36.127,8.794 -36.127,8.134 -34.458,6.465 -30.056,6.465 -30.056,5.195 -34.983,5.195 -37.044,7.256 -44,7.256
GND_USB on Bottom Layer "NONET_L-01_P-001" (solid, pour order 27): -57.35,50.875 -58.15,50.875 -58.15,47.55 -58,47.4 -57.4,47.4 -57.35,47.45
GND_USB on Bottom Layer "NONET_L-01_P-001" (solid, pour order 26): -62.5,51.7 -62.7,51.5 -62.7,49.5 -62.5,49.3 -60.5,49.3 -60.3,49.5 -60.3,51.5 -60.5,51.7
NetCONN3_1 on Bottom Layer "NONET_L-01_P-001" (solid, pour order 12): -77.25,67.35 -76.75,67.85 -72.5,67.85 -72.25,67.6 -72.25,64.6 -72.5,64.35 -73.75,64.35 -74.5,63.6 -74.5,60.6 -75,60.1 -76.75,60.1 -77.25,60.6
Vcc on Bottom Layer "NONET_L-01_P-001" (solid, pour order 15): -62.75,52.35 -58.75,52.35 -58.35,52.75 -58.35,53.35 -58.35,54.2 -58.75,54.6 -63.25,54.6 -63.75,55.1 -63.75,57.85 -64,58.1 -66,58.1 -66.25,57.85 -66.25,53.1 -65.5,52.35
PGND on Bottom Layer "NONET_L-01_P-001" (solid, pour order 14): -77.8,67.4 -78.2,67.8 -83.1,67.8 -83.5,67.4 -83.5,55.1 -82.9,54.5 -72.35,54.5 -71.7,55.15 -71.7,63.9 -72.5,63.9 -73.5,63.9 -74,63.4 -74,60.2 -74.6,59.6 -77,59.6 -77.8,60.4
AUX on Bottom Layer "NONET_L-01_P-001" (solid, pour order 13): -71.144,59.994 -71,59.85 -69.75,59.85 -69.5,60.1 -69.5,60.85 -69,61.35 -66.75,61.35 -66.25,60.85 -66.25,59.6 -66,59.35 -64,59.35 -63.75,59.6 -63.75,67.35 -64.25,67.85 -70.75,67.85 -71.144,67.456
NetQ8_2 on Bottom Layer "NONET_L-01_P-001" (solid, pour order 11): -28.844,10.965 -30.147,10.965 -30.247,10.865 -30.247,7.465 -28.947,7.465 -28.85,7.562
BAT2_NEG on Bottom Layer "NONET_L-01_P-001" (solid, pour order 9): -12.825,12.4 -31.85,12.4 -31.85,15.9 -12.825,15.9
BAT1_NEG on Bottom Layer "NONET_L-01_P-001" (solid, pour order 8): -85.175,-3.2 -42.635,-3.2 -42.635,-6.7 -85.175,-6.7
BAT2_POS on Bottom Layer "NONET_L-01_P-001" (solid, pour order 5): -78.111,15.9 -35.856,15.9 -35.856,12.311 -73.848,12.311 -78.111,12.311
NetQ5_2 on Bottom Layer "NONET_L-01_P-001" (solid, pour order 4): -40.097,-5.8 -41.4,-5.8 -41.5,-5.9 -41.5,-9.3 -40.2,-9.3 -40.103,-9.203
NetBH1_P1 on Bottom Layer "NONET_L-01_P-001" (solid, pour order 1): -12.825,-6.7 -18.111,-6.7 -18.111,-3.2 -12.825,-3.2
NetBH1_P2 on Bottom Layer "NONET_L-01_P-001" (solid, pour order 0): -85.175,15.9 -79.889,15.9 -79.889,12.4 -85.175,12.4
VCC_USB on Top Layer "NONET_L-01_P-001" (solid, pour order 20): -81.651,38.951 -81.225,38.525 -80.925,38.525 -80.5,38.1 -80.5,37.6 -80.3,37.4 -78.5,37.4 -78.5,42.8 -78.6,42.9 -81,42.9 -81.651,42.249 -82.465,42.249 -82.465,41.951 -80.851,41.951 -80.4,41.5 -80.4,39.902 -80.726,39.575 -80.802,39.5 -81.4,39.5 -81.651,39.249 -82.465,39.249 -82.465,38.951
GND_USB on Top Layer "NONET_L-01_P-001" (solid, pour order 22): -75.9,45.8 -75.7,45.6 -75.7,44.3 -75.8,44.2 -80.6,44.2 -81.349,43.451 -82.815,43.451 -83.065,43.201 -83.765,43.201 -83.765,45.635 -83.6,45.8
GND_USB on Top Layer "NONET_L-01_P-001" (solid, pour order 21): -83.8,37.999 -83.065,37.999 -82.815,37.749 -81.349,37.749 -81,37.4 -81,36.6 -80.6,36.2 -78.7,36.2 -78.5,36 -78.5,34.7 -78.7,34.5 -83.6,34.5 -83.8,34.7
NetD7_A on Top Layer "NONET_L-01_P-001" (solid, pour order 19): -66.3,46.7 -66.5,46.5 -66.5,42.4 -66.335,42.235 -63.435,42.235 -62.6,41.4 -61.3,41.4 -61.1,41.6 -61.1,46.4 -61.4,46.7
NetQ2_3 on Top Layer "NONET_L-01_P-001" (solid, pour order 18): -72.6,43.6 -72.4,43.8 -68.5,43.8 -68.4,43.7 -68.4,42.1 -68.662,41.838 -72.6,41.838
NetC14_2 on Top Layer "NONET_L-01_P-001" (solid, pour order 17): -73.4,41.838 -73.4,43.6 -73.6,43.8 -77.2,43.8 -77.4,43.6 -77.4,39.1 -77.2,38.9 -75.6,38.9 -75.4,39.1 -75.4,41.4 -74.962,41.838
Vcc on Top Layer "NONET_L-01_P-001" (solid, pour order 16): -64,55.6 -68.5,55.6 -68.75,55.35 -68.75,48.85 -68.5,48.6 -64,48.6 -63.75,48.85 -63.75,55.35
SGND on Layer 1 "NONET_L-01_P-001" (solid, pour order 32): -1,2 0,1 0,0 0.248,-0.248 2.979,-0.248 3,-0.227 3,1 4,2 10,2 10,70.5 -27.5,70.5 -27.5,28 -7,28 -7,2 -2.5,2
GND_USB on Layer 1 "NONET_L-01_P-001" (solid, pour order 31): -90,70 -31,70 -31,24.5 -10.5,24.5 -10.5,-1 -9,-2.5 10,-2.5 10,-19 -90,-19
SGND on Layer 2 "NONET_L-01_P-001" (solid, pour order 33): -1,2 0,1 0,0 3,0 3,1 4,2 10,2 10,70.5 -27.5,70.5 -27.5,28 -7,28 -7,2
GND_USB on Layer 2 "NONET_L-01_P-001" (solid, pour order 30): -90,70 -31,70 -31,24.5 -10.5,24.5 -10.5,-1 -9,-2.5 10,-2.5 10,-19 -90,-19

## Silkscreen, mask and mechanical layers (free items; w line width, h text height)
Top Overlay:
  lines w0.4: -117,-19 10,-19 10,70 -117,70 -117,-19
  lines w1: -23.5,41 -23.5,62.5 -7,62.5 -7,41 -23.5,41
Bottom Overlay:
  lines w0.4: -117,-19 10,-19 10,70 -117,70 -117,-19
Board:
  lines w0.254: -118,-19.5 10.5,-19.5 10.5,70.5 -118,70.5 -118,-19.5

## Text inside footprints (layer, text, board x,y; h text height)
BH1: Bottom Overlay "B-" at -15.169,16.754 h2.5; Bottom Overlay "B+" at -15.169,-2.246 h2.5; Bottom Overlay "B2+" at -86.919,16.754 h2.5; Bottom Overlay "B1-" at -87.002,-2.246 h2.5